# KiCad board Marble.kicad_pcb (continued)
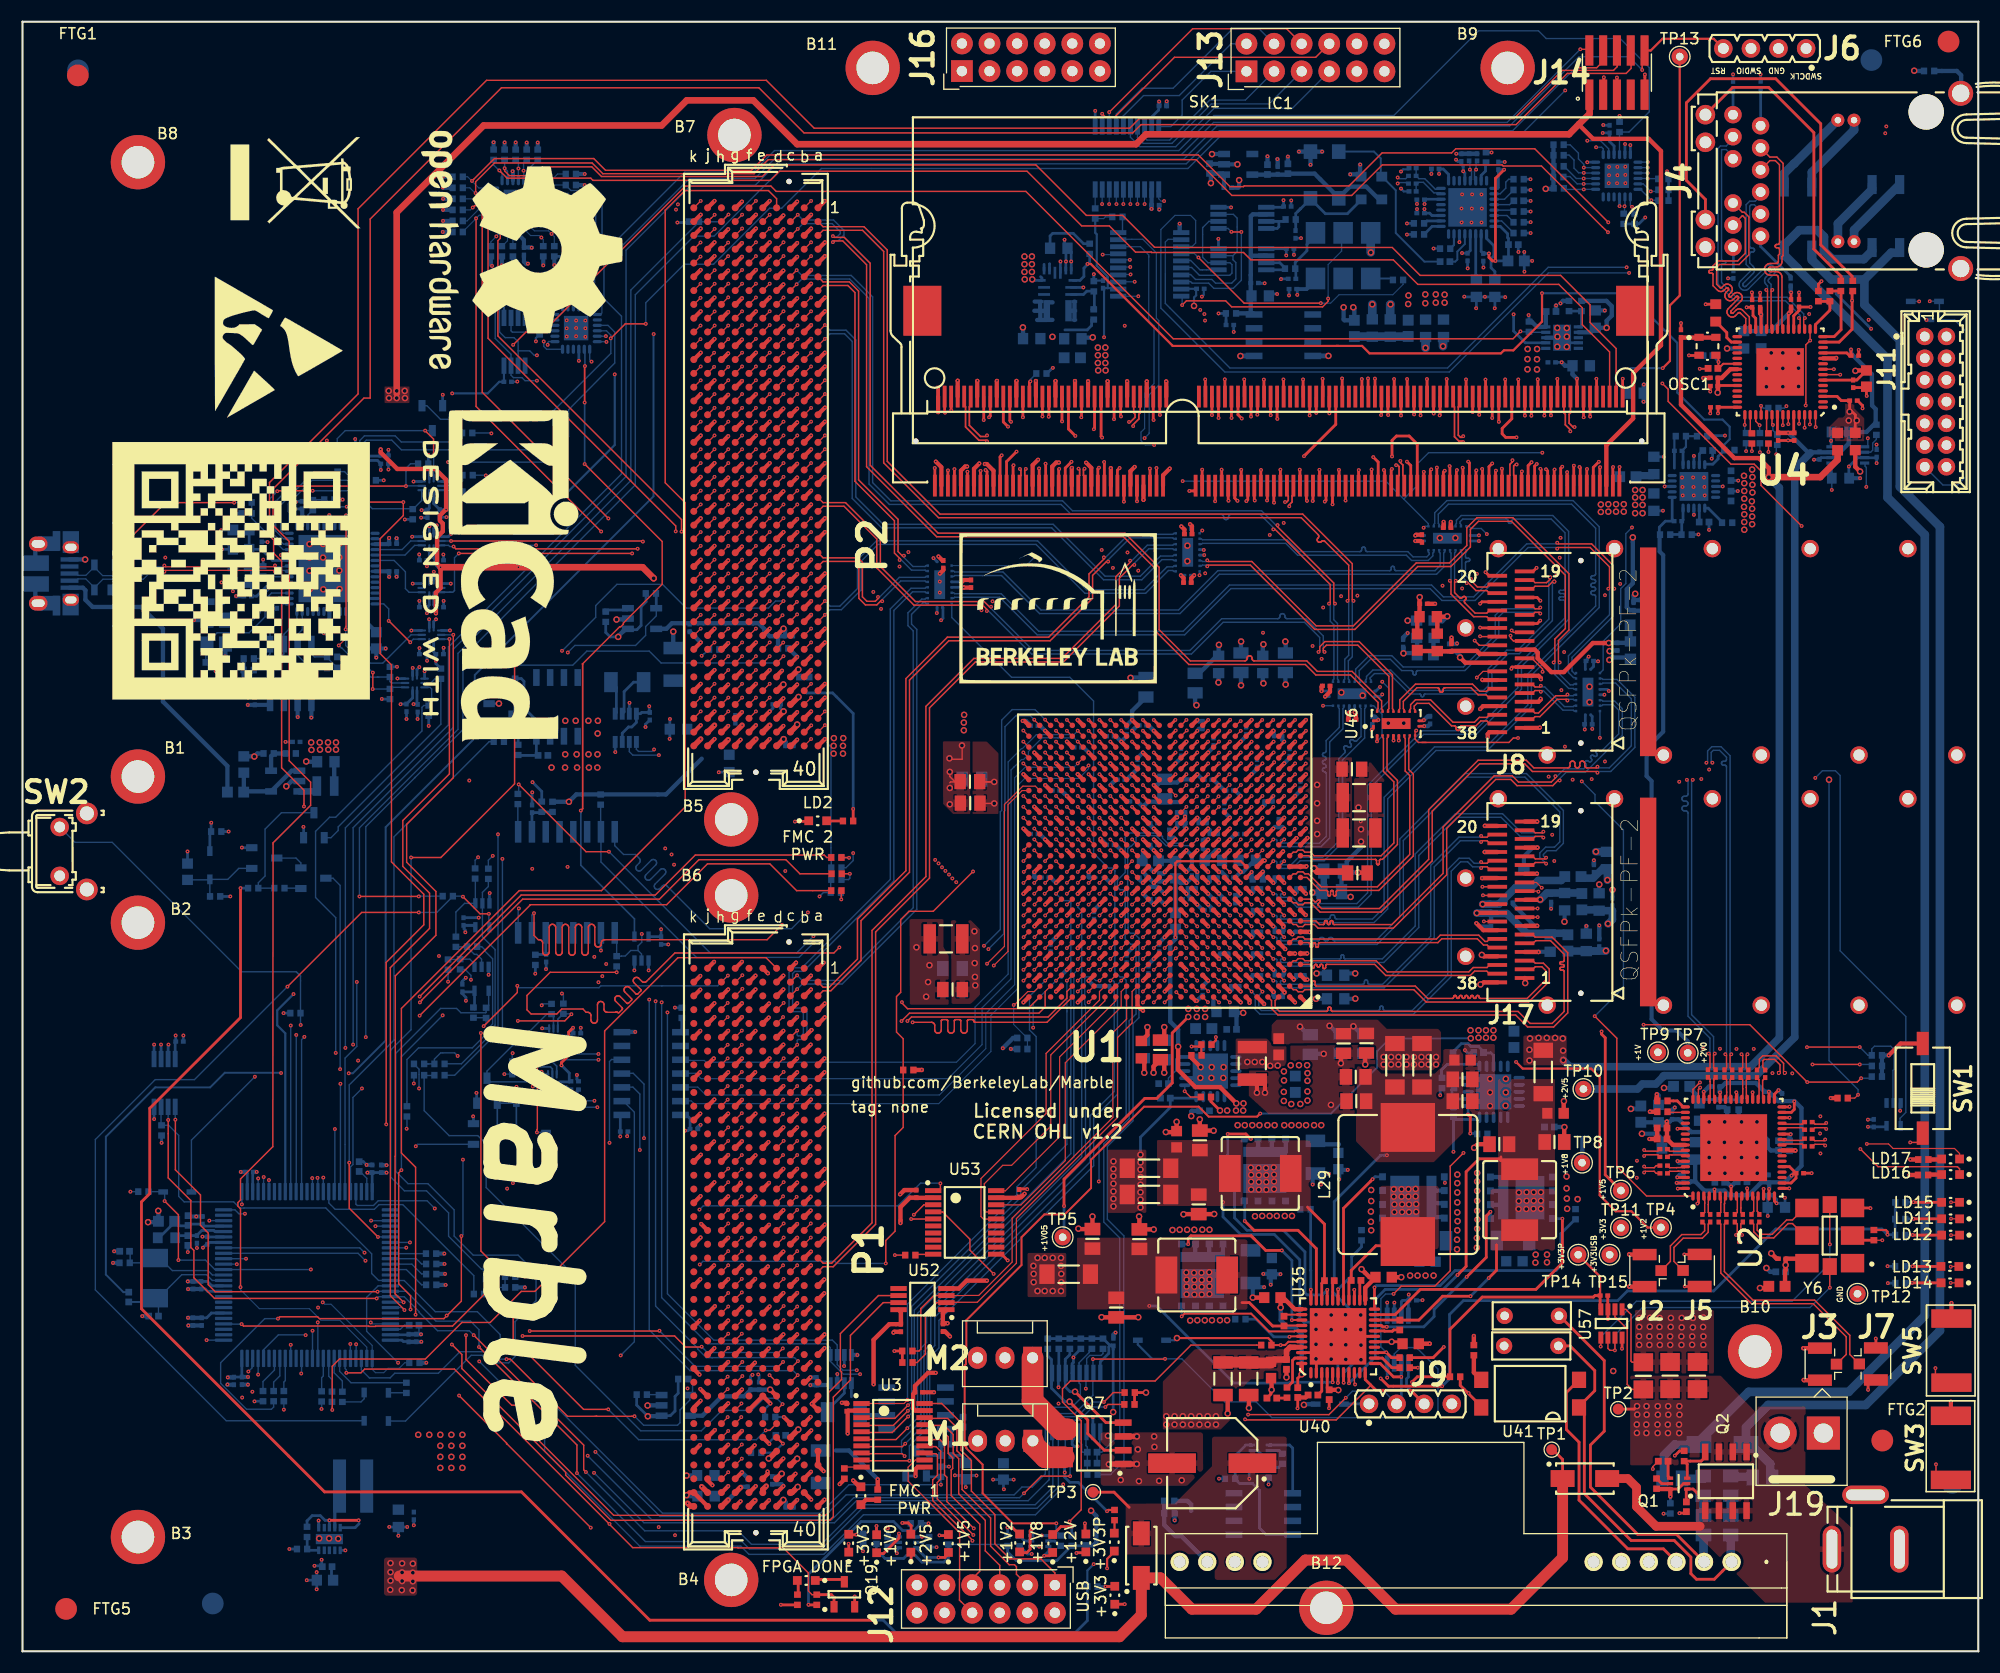
[diagram p0: board, top side]
## Routing (per net, layer and track width the routed paths; a pad name or vN(x,y) marks a point on that pad's centre or on a via; arc(x,y) is an arc through that point) (continued)
/I2C_MUX/QSFP2_SCL: length 166
  Top w0.127: J8.11 137.22,93 136.95,93.26 v1(136.95,93.49)
  In4.Cu w0.102: 142.1,95.21 144.83,97.93 144.83,101.21 ; 136.65,94.15 136.65,93.79 v1(136.95,93.49) ; v1(48.41,135.17) 50.4,137.16 60.74,137.16 61.84,136.06 68.02,136.06 70.65,138.69 81.49,138.69 81.59,138.79 125.5,138.79 128.2,141.49 145.61,141.49 147.59,139.51 148.94,139.51 151.69,136.77 151.69,116.6 147.6,112.51 147.6,112.31
  In4.Cu w0.112: 144.83,101.21 144.6,101.44 144.6,105.98 147.6,108.98 147.6,112.31 ; 142.1,95.21 141.17,94.27 138.54,94.27 138.51,94.3 136.8,94.3 136.65,94.15
  Bottom w0.102: R55.1 49.25,135.98 47.96,134.69 U5.13
/I2C_MUX/QSFP2_SDA: length 167.3
  Top w0.127: J8.12 137.22,93.8 137.06,93.96 v1(137.06,93.97)
  In4.Cu w0.102: v1(46.81,136.41) 48.03,137.63 60.88,137.63 62.06,136.46 67.81,136.46 70.88,139.53 124.38,139.53 126.92,142.07 147.15,142.07 152.32,136.9 152.31,120.96 152.31,106.99 149.3,103.98 148.18,103.98 147.7,103.5 147.7,100.81 145.41,98.52 145.41,97.7 141.68,93.97 v1(137.06,93.97)
  Bottom w0.102: U5.12 46.64,135.57 46.63,135.58
  Bottom w0.127: U5.12 46.63,135.4 46.63,136.24 v1(46.81,136.41) 46.81,136.68 R56.1
/JTAG/FMC1_TDI_R: length 2.9
  Bottom w0.127: R237.2 40.26,63.68 R277.2 41.17,63.71 41.6,63.28 U10.1
/JTAG/FMC1_TDO_R: length 3.6
  Bottom w0.127: R238.2 40.88,64.84 R278.2 40.9,64.84 41.59,64.15 41.81,64.15 42.25,63.71 U10.2
/JTAG/FMC2_TDI_R: length 6.7
  Bottom w0.127: R238.1 39.89,68.05 40.68,68.84 U7.1 41.68,71.1 R279.2
/JTAG/FMC2_TDO_R: length 27.9
  Bottom w0.127: 42.85,71.1 R280.2 42.87,70.4 42.33,69.85 U7.2 42.33,65.76 43.49,64.6 43.49,57.64 41.4,55.54 36.45,55.54 35.38,54.47 R275.1
/JTAG/JTAG_TCK: length 240.5
  Top w0.127: v1(50.52,58.64) 49.91,58.03 v1(45.59,58.03)
  In7.Cu w0.127: J11.6 178.2,118.16 178.2,122.27 176.72,123.75 173.95,123.75 171.07,126.63 171.07,132.63 160.22,143.48 151.76,143.48 149.12,140.84 82.24,140.84 78.74,137.33 70.51,137.33 67.82,134.64 58.32,134.64 44.22,120.54 v1(44.22,106.75) 51.43,99.53 51.43,91.18 44.64,84.38 44.64,59.13 44.62,59.12 44.62,58.99 v1(45.59,58.03)
  Bottom w0.127: R229.2 50.48,58.68 v1(50.52,58.64) ; v1(44.22,106.75) 44.21,106.73 R230.2
  Bottom w0.15: R229.2 49.76,58.68 49.27,58.18 U8.5
/JTAG/JTAG_TDI: length 248.2
  GND5.Cu w0.127: v1(42.64,108.23) 42.62,108.26
  In7.Cu w0.127: v1(44.42,57.12) 43.62,57.92 43.62,74.84 43.42,75.04 43.42,84.21 50.53,91.31 50.53,99.14 43.91,105.76 43.91,105.86 42.64,107.13 v1(42.64,108.23) 42.64,121.12 48.75,127.23 49.06,127.23 57.88,136.06 67.08,136.06 69.94,138.92 77.9,138.92 81.97,142.99 105.12,142.99 105.14,143.01 105.47,143.01 105.49,142.99 128.74,142.99 129.54,142.19 141.48,142.19 142.26,142.98 148.64,142.99 150.24,144.59 161.24,144.59 172.34,133.49 172.34,127.9 174.9,125.34 177.05,125.34 179.05,123.33 179.05,115.01 J11.10
  Bottom w0.127: v1(42.64,108.23) 42.62,108.26 R231.2 ; v1(44.42,57.12) 46.72,57.12 48.25,58.65 R215.2
  Bottom w0.15: R215.2 48.87,58.47 U8.4
/JTAG/JTAG_TDO: length 253
  In2.Cu w0.127: v1(47.6,124.76) 46.63,123.79 46.63,102.71 46.02,102.1 46.02,95.98 45.82,95.77 45.82,83.89 45.16,83.23 45.16,60.9 46.3,59.76 46.3,53.94 v1(46.81,53.43)
  In7.Cu w0.127: v1(43.15,112.11) 43.15,120.34 57.96,135.14 67.23,135.14 70.25,138.16 78.38,138.16 82.55,142.33 104.36,142.33 104.43,142.26 104.76,142.26 104.83,142.33 127.81,142.33 128.67,141.47 143.91,141.47 144.75,142.31 149.32,142.33 151.03,144.03 160.6,144.03 171.65,132.98 171.65,127.54 174.38,124.81 176.67,124.81 178.5,122.98 178.5,116.45 J11.8
  Bottom w0.127: R233.2 43.11,112.14 v1(43.15,112.11) ; 46.76,53.43 v1(46.81,53.43)
  Bottom w0.15: R216.2 46.45,53.13 47.11,53.79 48.59,53.79 48.77,53.61 U9.4
/JTAG/JTAG_TMS: length 232.9
  In2.Cu w0.127: v1(47.02,54.35) 46.84,54.52 46.84,60.76 46.02,61.59 46.02,82.54 46.58,83.1 46.58,102 47.09,102.5 v1(47.09,110.56)
  In7.Cu w0.127: v1(47.09,110.56) 46.91,110.74 46.91,122.37 58.57,134.03 72.26,134.03 74.85,136.62 79.18,136.62 82.58,140.02 145.19,140.02 145.27,140.1 149.78,140.1 152.6,142.92 159.94,142.92 170.38,132.48 170.38,126.09 173.33,123.14 175.51,123.14 176.04,122.61 176.04,120.06 J11.4
  Bottom w0.127: 46.73,54.27 46.73,54.31 46.77,54.35 v1(47.02,54.35) ; R232.2 47.05,110.59 v1(47.09,110.56)
  Bottom w0.15: U9.5 49.17,53.86 48.68,54.35 46.81,54.35 46.73,54.27 R228.2
/LPC_RST: length 238.1
  Top w0.127: 149.32,147.46 149.07,147.21 v1(149.07,145.56) ; v1(14.35,36.01) 14.35,40.17 v1(13.08,41.44)
  Top w0.2: J14.10 149.86,147.35 150.93,148.43 155.65,148.43 J6.4
  In2.Cu w0.127: v1(26.54,35.14) 26.54,40.03 30.43,43.92 v1(30.43,55.85)
  Bottom w0.127: v1(14.35,36.01) 16.84,36.01 17.71,35.14 U54.14 26.53,35.14 v1(26.54,35.14) ; v1(13.08,41.44) 13.08,42.15 D3.2 12.92,42.31 R138.1 ; v1(149.07,145.56) 147.85,146.78 143.24,146.78 136.87,140.4 109.93,140.4 106.88,137.35 69.85,137.35 67.43,134.94 61.52,134.94 55.55,128.97 55.55,108.14 39.65,92.24 39.65,85.03 30.43,75.81 v1(30.43,55.85)
/MMC/AT_DET: length 128
  Top w0.127: 132.71,24.09 132.86,23.94 132.92,23.94 v1(133.09,23.76)
  Top w0.254: U41.4 134.25,22.54 132.32,24.48 R179.2
  In2.Cu w0.127: v1(133.09,23.76) 133.09,22.44 131.7,21.05 112.71,21.05 106.05,14.39 104.16,14.39 97.66,7.89 80.06,7.89 78.17,9.77 76.45,9.77 75.94,9.26 67.46,9.26 66.55,10.18 54.96,10.18 42.29,22.85 38.28,22.85 v1(34.57,26.56)
  Bottom w0.127: U54.65 32.73,33.64 31.67,32.58 31.67,29.45 v1(34.57,26.56)
/MMC/BOOT_MODE0: length 71.6
  Top w0.127: R286.2 74.01,73.07 73.79,73.29 61.92,73.29 58.24,69.61 45.89,69.61 v1(36.55,60.26)
  In4.Cu w0.127: v1(36.55,60.26) 27.35,60.26 v1(24.69,57.6)
  Bottom w0.127: v1(24.69,57.6) 24.69,42.33 24.68,42.33 24.68,42.31
/MMC/BOOT_MODE1: length 71.2
  Top w0.127: 71.55,71.57 70.25,72.86 62.25,72.86 58.62,69.23 46.03,69.23 36.75,59.95 36.75,59.91 v1(36.57,59.73)
  Top w0.13: R287.2 71.55,71.57
  In4.Cu w0.127: v1(25.19,56.73) 26.18,57.72 26.18,58.23 27.68,59.73 v1(36.57,59.73)
  Bottom w0.127: v1(25.19,56.73) 25.19,42.32 25.18,42.31
/MMC/BOOT_MODE2: length 70.5
  Top w0.127: v1(36.55,58.51) 46.71,68.67 46.71,68.72 59.28,68.72 63.04,72.48 68.78,72.48 71.24,70.02 72.74,70.02
  Top w0.13: R288.2 72.74,70.02
  In4.Cu w0.127: v1(36.55,58.51) 27.9,58.51 v1(25.94,56.56)
  Bottom w0.127: 25.68,42.31 25.68,56.3 v1(25.94,56.56)
/MMC/DDR_1V5_EN: length 233.9
  Top w0.2: 120.95,120.16 121.13,120.16 ; 120.95,120.16 105.86,120.16 98.32,127.7 v1(98.02,127.7) ; 120.95,120.16 123.29,120.16 123.97,119.47 136.07,119.47 136.34,119.75 137.21,119.75 139.85,122.39 v1(139.85,125.01)
  In4.Cu w0.2: v1(38.33,64) 28.5,64 24.99,60.49 v1(24.94,60.49)
  In7.Cu w0.2: v1(54.51,117.54) 55.52,118.56 55.52,123.33 59.99,127.8 84.25,127.8 87.07,124.98 94.99,124.98 97.54,127.53 97.84,127.53 v1(98.02,127.7) ; v1(38.33,64) 38.33,64.31 41.55,67.54 41.55,85.39 42.11,85.94 42.11,105.92 v1(42.5,106.31)
  Bottom w0.102: 98.04,127.68 v1(98.02,127.7)
  Bottom w0.2: R72.2 156.62,111.08 157.12,111.57 157.12,112.72 156.46,113.38 154.78,113.38 152.3,115.87 152.3,120.44 147.72,125.01 v1(139.85,125.01) ; 24.18,42.31 24.18,56.88 23.44,57.62 23.44,58.99 v1(24.94,60.49) ; v1(54.51,117.54) 54.51,111.04 49.78,106.31 v1(42.5,106.31)
  Bottom w0.254: R24.2 98.22,127.85 97.69,127.32 97.69,126.55 97.32,126.19 U58.1 ; U47.20 154.87,109.27 155.57,109.27 156.05,109.76 156.05,109.98 156.62,110.55 R72.2
/MMC/EN_FMC1_P12V: length 66.8
  In2.Cu w0.127: v1(35.66,37.63) 35.66,33.75 42.01,27.4 42.01,26.71 v1(42.03,26.69)
  Bottom w0.127: v1(35.66,37.63) 34.39,37.63 34.39,37.64 U54.57 ; R188.1 v1(84.53,15.33) 76.07,15.33 73.45,12.72 58.89,12.72 48.58,23.03 45.69,23.03 v1(42.03,26.69)
  Bottom w0.254: R188.1 83.27,16.06 Q8.1
/MMC/EN_FMC2_P12V: length 55.4
  Top w0.127: v1(32.71,38.14) 30.07,40.78 v1(30.07,44.97)
  Bottom w0.127: v1(32.71,38.14) 33.85,38.14 U54.56 ; v1(30.07,44.97) 30.07,52.14 34.19,56.25 34.19,74.97 42.95,83.73 R201.1 43.37,84.45 42.94,84.87 Q9.1
/MMC/EN_PSU_CH: length 112.3
  Top w0.127: R245.2 107.54,28.18 104.24,24.88 96.44,24.88 95.71,24.16 95.71,22.94 97.44,21.22 97.44,13.03 v1(96.36,11.95) ; v1(52.3,11.38) 44.58,19.09 44.55,19.09 44.55,19.17 v1(40.18,23.54)
  In2.Cu w0.127: v1(35.32,37.15) 35.32,33.45 40.18,28.59 v1(40.18,23.54)
  In4.Cu w0.127: v1(96.36,11.95) 96.19,12.13 85.39,12.13 ; 85.39,12.13 81.16,12.13 81.14,12.15 55.52,12.15 54.75,11.38 52.3,11.38 v1(52.3,11.38) ; 85.39,12.13 85.15,12.13
  Bottom w0.127: U54.58 35.3,37.14 v1(35.32,37.15)
/MMC/HW_ID0: length 3.3
  Bottom w0.127: R144.1 33.89,36.6 U54.59
/MMC/HW_ID1: length 3.5
  Bottom w0.127: R146.1 36.73,35.65 36.24,36.14 U54.60
/MMC/HW_ID2: length 3.7
  Bottom w0.127: 37.14,34.74 36.73,34.74 35.83,35.64 U54.61
/MMC/HW_ID3: length 3.9
  Bottom w0.127: U54.62 35.33,35.14 36.73,33.73 R158.1
/MMC/I2C_PM_SCL: length 160.6
  Top w0.127: v1(121.79,23.33) 120.24,21.78 v1(112.8,21.78) ; v1(13.41,48.91) 13.41,43.58 15.49,41.49 15.49,37.18 15.77,36.9 15.77,34.38 17.68,32.48 v1(32.6,32.48) ; v1(41.53,29.1) 51.65,18.97 51.65,16.7 v1(51.85,16.5) ; v1(99.53,22.94) 100.4,23.82 R14.2
  Top w0.254: v1(126.89,25.26) 126.19,25.26 124.95,26.49 U35.12
  In2.Cu w0.127: v1(112.8,21.78) 112.8,21.78 111.64,22.94 v1(99.53,22.94)
  Bottom w0.127: 40.92,29.51 41.12,29.51 v1(41.53,29.1) ; 40.92,29.51 38.2,29.51 36.51,31.2 36.51,31.26 35.13,32.64 U54.67 32.74,32.64 32.6,32.49 v1(32.6,32.48) ; 40.92,29.51 41.07,29.51 ; J9.2 125.3,23.94 122.4,23.94 v1(121.79,23.33) ; v1(99.53,22.94) 98.41,22.94 97.07,21.6 95.2,21.6 94.7,21.1 94.7,20.2 94.83,20.07 94.83,15.12 93.2,13.49 77.16,13.49 73.52,9.85 67.09,9.85 65.85,11.09 57.26,11.09 v1(51.85,16.5) ; v1(13.41,48.91) 13.4,48.92 U28.2
  Bottom w0.254: J9.2 126.9,23.21 U29.2 126.89,26.48 v1(126.89,25.26)
/MMC/I2C_PM_SDA: length 161.2
  Top w0.127: v1(51.03,16.4) 51.03,18.99 v1(42.01,28.01) ; v1(112.52,21.35) 112.58,21.3 120.91,21.3 124.08,24.47 124.08,24.52 ; v1(14.07,48.94) 14.07,44.31 16.38,42 16.38,39.21 17.09,38.5 17.09,33.75 17.74,33.1 v1(32.67,33.1) ; v1(99.66,22.48) 99.9,22.72 R13.2
  Top w0.254: U35.11 123.58,25.01 124.57,24.02 127.76,24.02 J9.3
  In2.Cu w0.127: v1(112.52,21.35) 111.39,22.48 v1(99.66,22.48)
  Bottom w0.127: v1(32.67,33.1) 32.71,33.14 U54.66 35.3,33.14 38.05,30.39 41.22,30.39 42.01,29.61 v1(42.01,28.01) ; U28.1 14.05,48.95 v1(14.07,48.94) ; v1(99.66,22.48) 98.5,22.48 97.29,21.28 95.5,21.28 95.34,21.11 95.34,15.13 93.37,13.16 77.29,13.16 73.54,9.41 66.9,9.41 66.22,10.1 57.32,10.1 v1(51.03,16.4)
  Bottom w0.254: U29.1 127.55,25.25 127.38,25.08 127.38,24.4 J9.3
/MMC/ISP_RSTn: length 39.7
  In4.Cu w0.127: v1(21.38,52.89) 22.08,53.58 v1(29.23,53.58)
  Bottom w0.127: v1(29.23,53.58) 29.23,70.5 28.57,71.16 Q14.3 ; v1(21.38,52.89) 15.55,47.05 D3.1
/MMC/LED1: length 193.5
  Top w0.102: LD15.1 v1(177.49,41.33)
  In9.Cu w0.127: v1(177.49,41.33) 176.79,40.63 172.41,40.63 166.44,34.66 151.28,34.66 147.62,31 147.62,23.97 134.78,11.13 94.65,11.13 93.98,11.8 83.91,11.8 83,10.88 82.63,10.88 80.81,9.07 80.81,8.86 77.33,5.39 69.58,5.39 67.54,3.34 34.03,3.34 32.05,5.32 32.05,15.1 v1(21.69,25.47)
  Bottom w0.127: v1(21.69,25.47) 21.69,26.64 21.68,26.64 U54.97
/MMC/LED2: length 197.4
  Top w0.102: LD11.1 177.51,39.8 v1(177.49,39.82)
  In9.Cu w0.127: v1(177.49,39.82) 175.1,39.82 174.47,39.18 171.98,39.18 166.98,34.18 151.89,34.18 149.29,31.58 149.29,29.24 149.25,29.2 149.25,28.44 149.26,28.43 149.26,24.94 134.79,10.48 101.09,10.48 98.93,8.32 98.79,8.32 98.75,8.36 98.42,8.36 97.41,7.34 97.41,2.96 96.29,1.84 33.8,1.84 30.5,5.15 30.5,15.29 21.09,24.7 21.09,25.45 v1(20.79,25.75)
  Bottom w0.127: v1(20.79,25.75) 21.13,26.09 21.13,26.91 U54.98
/MMC/LED3: length 201.4
  Top w0.102: LD12.1 v1(177.49,38.31)
  In9.Cu w0.127: v1(16.94,28.64) 16.94,25.57 25.6,16.91 25.6,8.25 27.13,6.72 27.33,6.72 32.43,1.62 76.38,1.62 76.71,1.29 97.66,1.29 100.01,3.63 100.01,6.02 103.22,9.23 106.98,9.23 107,9.21 108.54,9.21 108.56,9.23 109.52,9.23 109.54,9.21 111.08,9.21 111.1,9.23 112.06,9.23 112.08,9.21 113.62,9.21 113.64,9.23 114.6,9.23 114.62,9.21 134.34,9.21 151.16,26.03 151.16,32.03 152.1,32.97 167.29,32.97 171.96,37.63 176.57,37.63 177.24,38.31 v1(177.49,38.31)
  Bottom w0.127: U54.1 18.5,28.64 v1(16.94,28.64)
/MMC/LPC_ISPn: length 40
  Bottom w0.127: U24.5 37.5,88.73 37.65,88.58 37.65,87.76 37.37,87.48 37.37,87.06 36.94,87.06 36.76,86.89 36.76,84.71 28.83,76.77 28.27,76.77 26.97,75.48 26.97,69.38 28.83,67.53 v1(28.83,55.08)
/MMC/MMC_CONS_PROG_RxD: length 68.7
  Top w0.127: v1(35.15,31.41) 35.15,31.44 33.86,32.73 33.86,62.93 37.46,66.54 37.46,69.79 35,72.25 35,76.47 39.29,80.76 v1(39.29,93.18)
  Bottom w0.127: U25.5 39.27,93.16 v1(39.29,93.18) ; U54.69 34.92,31.64 v1(35.15,31.41)
/MMC/MMC_CONS_PROG_TxD: length 68.5
  Top w0.127: v1(39.65,93.56) 39.65,80.41 35.35,76.11 35.35,72.63 38.05,69.94 38.05,65.9 34.31,62.17 34.31,45.58 34.29,45.56 34.29,32.91 v1(35.07,32.12)
  Bottom w0.127: U25.4 v1(39.65,93.56) ; U54.68 35.06,32.14 v1(35.07,32.12)
/MMC/OVER_TEMP: length 170.3
  Top w0.127: v1(98.52,26.89) 105.13,26.89 v1(105.15,26.91) 105.24,26.91
  In2.Cu w0.127: v1(52.6,16.42) 52.17,16.86 49.3,16.86 43.96,22.19 v1(43.96,27.83)
  Bottom w0.127: U28.3 12.75,48.46 R178.2 ; 12.76,48.45 R178.2 ; R178.2 13.45,48.42 14.37,47.49 14.37,41.88 14.88,41.37 19.43,41.37 20,40.8 20.38,40.8 20.39,40.81 27.91,40.81 32.13,36.59 32.13,34.77 32.77,34.14 U54.64 33.87,34.13 35.13,34.13 38,31.26 41.86,31.26 43.96,29.15 v1(43.96,27.83) ; v1(105.15,26.91) 106.7,26.91 110.66,22.95 113.54,22.95 114.98,21.5 129.87,21.5 130.27,21.91 130.27,25.98 128.29,27.96 126.84,27.96 126.25,27.37 U29.3 ; v1(98.52,26.89) 98.52,25.61 98.51,25.6 98.51,23.56 96.84,21.88 95.04,21.88 94.39,21.23 94.39,19.27 94.49,19.17 94.48,19.09 94.48,15.79 92.55,13.86 76.76,13.86 74.72,11.83 57.2,11.83 v1(52.6,16.42)
  Bottom w0.2: v1(105.15,26.91) 103.97,26.91 102.65,28.23 D2.1
/MMC/Pmod3_0: length 172
  In2.Cu w0.127: v1(26.06,29.1) 27.66,29.1 29.18,30.62 29.18,35.14 37.79,43.75 37.79,54.3 35.42,56.67 35.42,79.13 35.46,79.16 ; 35.46,79.16 35.4,79.11 ; 35.46,79.16 42.16,85.87 42.16,108.27 42.29,108.4 42.29,130.39 56.42,144.53 69.06,144.53 73.29,140.31 84.43,140.31 86.46,142.33 J16.1
  Bottom w0.127: v1(26.06,29.1) 26.03,29.12 23.55,29.12 22.18,27.76 U54.96
/MMC/Pmod3_1: length 170.7
  In2.Cu w0.127: J16.3 89,142.95 85.78,139.73 72.62,139.73 68.58,143.77 56.3,143.77 43.95,131.42 43.95,128.91 43.66,128.62 43.66,103.57 42.9,102.81 42.9,85.72 36.13,78.95 36.13,57.23 38.27,55.09 38.27,43.21 31.75,36.69 v1(31.48,36.69)
  Bottom w0.127: U54.18 31.03,37.14 v1(31.48,36.69)
/MMC/Pmod3_2: length 172.9
  In2.Cu w0.127: 38.45,80.31 38.4,80.25 ; 38.45,80.31 43.38,85.24 43.38,92.04 43.46,92.12 43.46,102 44.64,103.18 44.64,130.46 46.76,132.58 46.76,132.65 57.28,143.18 68.16,143.18 72.27,139.07 87.77,139.07 91.54,142.84 J16.5 ; 38.45,80.31 36.95,78.81 36.95,57.29 38.74,55.5 38.74,43.13 v1(31.56,35.95)
  Bottom w0.127: v1(31.56,35.95) 30.88,36.64 U54.17
/MMC/Pmod3_3: length 162.1
  In2.Cu w0.127: J16.7 94.08,143.03 89.54,138.49 71.87,138.49 67.77,142.59 57.71,142.59 45.89,130.78 45.89,102.63 45.12,101.86 45.12,84.94 45.02,84.83 45.02,84.56 38.78,78.33 38.78,59.43 39.67,58.54 39.67,45.57 39.66,45.56 39.66,42.47 v1(37.94,40.76)
  Bottom w0.127: 30.68,42.31 30.68,41.16 30.81,41.04 32.31,41.04 32.74,41.47 37.23,41.47 v1(37.94,40.76)
/MMC/Pmod3_4: length 157
  In2.Cu w0.127: J16.2 84.94,148 84.12,147.17 84.12,144.24 81.17,141.3 74.5,141.3 69.99,145.8 55.71,145.8 46.45,136.54 46.45,136.11 42.65,132.31 42.65,132.23 40.92,130.5 40.92,86.3 34.21,79.59 34.21,55.97 36.85,53.33 36.85,44.42 v1(32.08,39.64)
  Bottom w0.127: v1(32.08,39.64) 32.08,39.64 U54.53
/MMC/Pmod3_5: length 158.1
  In2.Cu w0.127: 41.53,92.01 41.53,91.94 ; 41.53,92.01 41.53,130.37 56.34,145.18 69.47,145.18 73.77,140.88 81.67,140.88 84.67,143.88 84.67,146.2 84.86,146.4 85.17,146.75 87.75,146.75 J16.4 ; 41.53,92.01 41.53,86.2 35,79.67 35,56 37.34,53.66 37.34,43.98 v1(32.48,39.13)
  Bottom w0.127: U54.54 32.49,39.14 v1(32.48,39.13)
/MMC/Pmod3_6: length 175.3
  In2.Cu w0.127: v1(26.69,29.51) 27.18,29.51 28.55,30.88 28.55,37.48 32.92,41.85 32.92,79.24 36.04,82.36 ; J16.6 90.37,149.16 85.06,149.16 83.47,147.57 83.47,144.82 80.55,141.9 74.92,141.9 70.42,146.39 55.44,146.39 47.19,138.14 46.51,138.14 42.29,133.92 42.29,133.17 40.48,131.37 40.48,101.23 40.5,101.22 40.5,91.92 39.82,91.25 39.82,86.15 36.04,82.36 ; 36.04,82.36 35.91,82.24
  Bottom w0.127: U54.87 26.69,26.97 v1(26.69,29.51)
/MMC/Pmod3_7: length 178.4
  In2.Cu w0.127: v1(27.18,30.28) 28.09,31.19 28.09,39.39 32.1,43.4 32.1,79.21 39.42,86.53 39.42,91.58 39.99,92.15 39.99,94.18 39.81,94.36 39.81,101.33 40.01,101.53 40.03,131.23 40.03,133.06 41.54,134.57 41.59,134.57 54.02,147 54.13,147.11 71,147.11 75.69,142.41 80.24,142.41 82.86,145.03 82.86,147.59 84.76,149.49 92.58,149.49 J16.8
  Bottom w0.127: U54.86 27.18,30.27 v1(27.18,30.28)
/MMC/VREF: length 6.9
  Bottom w0.254: U54.22 16.76,39.14 C199.1 15.39,39.32 15.24,39.16 14.34,39.16 14.01,39.5 12.57,38.07 12.53,38.07
/MMC_TCK: length 239.3
  Top w0.127: v1(143.11,145.94) 143.29,145.76 144.88,145.76 145.51,146.39 145.51,147.46
  In2.Cu w0.127: v1(31.59,56.53) 31.59,45.61 31.21,45.24 31.21,43.27 27.63,39.69 v1(27.63,32.12)
  In9.Cu w0.2: J6.1 161.01,144.39 148.51,144.39 146.96,145.94 v1(143.11,145.94)
  Bottom w0.102: v1(27.63,32.12) 27.81,31.95 28.39,31.95 32.18,28.15 U54.76 32.18,25.94 32.48,25.64 33.25,25.64 33.65,26.05 34.67,26.05 35.18,26.56 R137.1
  Bottom w0.127: 36.15,80.45 31.59,75.9 v1(31.59,56.53) ; 36.15,80.45 36.09,80.39 ; 36.15,80.45 40.54,84.84 40.54,91.51 56.4,107.37 56.4,124.87 61.8,130.27 63.65,130.27 70.3,136.92 107.11,136.92 110.16,139.97 137.14,139.97 v1(143.11,145.94) ; 27.62,32.14 v1(27.63,32.12)
/MMC_TDI: length 248.7
  Top w0.127: 148.05,147.46 148.05,145.7 147.58,145.24 142.17,145.24 137.46,140.53 102.94,140.53 102.18,139.77 71.92,139.77 67.77,143.92 44.08,143.92 32,131.84 32,115.36 31.42,115.36 23.06,107 23.06,103.65 24.54,102.16 24.54,81.97 26.51,80 26.51,77.87 23.06,74.42 23.06,74.31 23.03,46.45 20.06,43.48 20.06,41.54 19.82,41.3 19.82,40.98 20.06,40.74 v1(20.06,33.52)
  Bottom w0.102: U54.77 31.68,27.99 29.21,30.47 27.47,30.47 26.4,31.54 21.8,31.54 20.06,33.27
  Bottom w0.127: v1(20.06,33.52) 20.06,33.27
/MMC_TDO: length 240.4
  Top w0.127: v1(25.91,77.77) 25.91,79.26 23.85,81.32 23.85,100.34 23.11,101.07 23.11,102.3 22.73,102.68 22.73,107.58 30.88,115.74 30.88,132.78 42.71,144.61 68.46,144.61 72.86,140.2 101.9,140.2 102.79,141.09 137.27,141.09 141.7,145.52 146.43,145.52 146.78,145.87 146.78,147.46
  In2.Cu w0.127: v1(25.65,25.57) 25.65,50.46 26.41,51.22 26.41,77.26 v1(25.91,77.77)
  Bottom w0.127: U54.89 25.68,25.6 v1(25.65,25.57)
/MMC_TMS: length 232.9
  Top w0.127: 144.24,147.46 143.38,147.46 v1(143.37,147.47)
  In2.Cu w0.127: v1(30.88,54.37) 30.88,43.66 27.2,39.98 v1(27.2,31.64)
  In4.Cu w0.102: v1(27.2,31.64) 30.68,31.64 v1(32.05,30.27)
  GND5.Cu w0.127: v1(29.72,55.54) v1(30.88,54.37)
  In9.Cu w0.2: v1(143.37,147.47) 149.37,147.47 151.38,145.46 156.99,145.46 J6.3
  Bottom w0.102: U54.72 32.18,30.14 v1(32.05,30.27)
  Bottom w0.127: 27.2,31.64 v1(27.2,31.64) ; v1(29.72,55.54) 29.72,75.8 39.2,85.28 39.2,92.45 55.13,108.37 55.13,122.89 53.51,124.5 53.51,127.7 61.39,135.58 67.41,135.58 69.59,137.76 106.65,137.76 109.62,140.73 136.64,140.73 v1(143.37,147.47)
/MUX1_MMC: length 329.2
  Top w0.127: v1(164.26,52.39) 168.86,52.39 v1(169.22,52.75) ; v1(164.26,52.39) 164.26,52.39 ; v1(164.26,52.39) 158.98,57.67 v1(149.2,57.67)
  In2.Cu w0.127: v1(99.06,43.25) 99.06,44.8 104.8,50.54 107.65,50.54 109.35,52.24 111.29,52.24 111.29,54.92 113.21,56.84 130.84,56.84 131.68,57.67 v1(149.2,57.67) ; 169.34,52.75 169.34,52.75
  In4.Cu w0.127: v1(44.6,42.59) 27.63,42.59 v1(26.67,43.55) ; v1(46,21.02) 49.8,17.22 79.94,17.22 85.06,22.34 92.81,22.34 98.09,27.63 99.72,27.63 101.7,29.61 112.14,29.61 115.31,32.78 124.96,32.78 125.5,33.32 135.13,33.32 135.87,34.06 157.31,34.06 164.26,41.01 v1(164.26,52.39)
  In7.Cu w0.127: v1(46,21.02) 45.08,21.94 45.08,26.86 44.6,27.34 v1(44.6,42.59)
  Bottom w0.127: 85.53,96.44 85.53,95.16 91.03,89.65 96.39,89.65 98.57,87.47 98.57,73.47 99.94,72.1 100.3,72.1 100.56,71.84 100.54,71.81 100.54,62.55 101.01,62.07 101.28,62.07 101.57,61.78 101.57,49.27 99.08,46.78 99.08,43.27 v1(99.06,43.25) ; v1(169.22,52.75) 170.04,52.75 R297.1 ; 26.68,42.31 26.68,43.53 v1(26.67,43.55)
/MUX2_MMC: length 320.3
  Top w0.127: v1(150.92,116.7) 151.46,116.17 151.46,115.05 157.24,109.27 159.38,109.27 160,108.65 160,107.32 v1(163.74,103.58) ; v1(164.74,54.02) 164.74,54.02 v1(169.09,54.02)
  In4.Cu w0.127: v1(164.74,54.02) 163.9,53.18 163.9,41.27 157.29,34.65 135.85,34.65 134.9,33.7 124.84,33.7 124.71,33.83 115.72,33.83 113.33,31.44 102.21,31.44 99.37,28.59 97.77,28.59 92.15,22.98 84.61,22.98 80.19,18.56 60.73,18.56 60.4,18.89 49.55,18.89 46.89,21.56 v1(46.17,21.56) ; v1(163.74,103.58) 163.55,103.39 163.55,100.12 166.95,96.71 166.95,59.15 169.75,56.35 169.75,54.92 169.09,54.27 v1(169.09,54.02) ; v1(45.13,43.09) 27.63,43.09 v1(27.15,43.58) ; v1(108.33,99.05) 108.5,98.88 109.09,98.88 109.8,99.58 109.8,103.72 109.14,104.38 109.14,111.18 110.75,112.79 110.75,114.96 112.49,116.7 112.87,116.7 148.83,116.72 149.06,116.94 150.2,116.94 150.43,116.72 150.91,116.72 v1(150.92,116.7)
  In7.Cu w0.127: v1(46.17,21.56) 45.5,22.23 45.5,42.73 v1(45.13,43.09)
  Bottom w0.127: 108.33,99.4 108.33,99.05 v1(108.33,99.05) ; R298.1 170.07,54.02 v1(169.09,54.02) ; 27.18,42.31 27.18,43.54 v1(27.15,43.58)
/MUX3_MMC: length 281.7
  Top w0.127: v1(137.64,84.06) 137.21,84.06 136.8,83.66 128.8,83.66 ; v1(128.27,84.75) 128.17,84.65 128.17,83.96 128.47,83.66 128.8,83.66 ; v1(169.09,55.62) 164.25,55.62 v1(164.23,55.6) ; 128.8,83.66 129.18,83.66
  In4.Cu w0.127: v1(46.63,22.14) 47.16,22.14 49.66,19.64 60.71,19.64 ; v1(27.68,43.6) 45.67,43.6 v1(45.69,43.58) ; 60.71,19.64 80.04,19.64 83.1,22.7 83.26,22.7 84.76,24.2 92.81,24.2 98.43,29.82 99.73,29.82 102.04,32.13 110.01,32.13 112.1,34.22 125,34.22 125.25,33.97 134.05,33.97 135.18,35.09 157.05,35.09 163.51,41.56 163.51,54.88 v1(164.23,55.6) ; 60.71,19.64 60.64,19.64 ; v1(169.09,55.62) 164.84,59.87 164.84,65.04 145.8,84.08 v1(145.17,84.08) 145.17,84.92 144.59,85.5 142.05,85.5 140.61,84.06 v1(137.64,84.06)
  In7.Cu w0.127: v1(46.63,22.14) 46.63,28.92 45.89,29.65 45.89,43.13 45.69,43.33 v1(45.69,43.58) ; v1(128.27,84.75) 128.27,86.5 130.7,88.93 130.7,93.43 131.58,94.31 131.58,95.03 135.17,98.62 135.17,100.07 134.62,100.63 134.62,101.61 134.77,101.76 v1(134.77,102.84)
  Bottom w0.102: R299.1 170.2,54.88
  Bottom w0.127: 172.15,50.45 172.15,53.47 172.25,53.57 172.25,55.39 171.95,55.69 170.44,55.69 170.2,55.45 R299.1 169.85,54.86 v1(169.09,55.62) ; U50.9 133.13,103.55 133.33,103.35 134.25,103.35 v1(134.77,102.84) ; v1(27.68,43.6) 27.68,43.6 27.68,42.31 ; v1(145.17,84.08) 145.18,84.09 U49.9
/PMOD/Pmod1_0: length 49.4
  Top w0.102: v1(81.45,23.13) 81.13,22.81 U3.1
  Top w0.127: v1(94.12,61.73) 94.62,62.23 U1.C24
  Bottom w0.127: v1(94.12,61.73) 92.68,60.28 92.68,57.2 93.29,56.58 93.29,44.53 91.51,42.75 91.51,42.02 81.45,31.96 v1(81.45,23.13)
/PMOD/Pmod1_1: length 50.5
  Top w0.11: U1.C22 v1(96.12,61.73)
  Top w0.127: v1(81.5,22.65) 80.28,21.44 77.4,21.44
  Bottom w0.11: v1(96.12,61.73) 96.12,58.86
  Bottom w0.127: v1(81.5,22.65) 81.83,22.98 81.83,31.74 91.87,41.79 91.87,42.42 96.12,46.67 96.12,58.96
/PMOD/Pmod1_2: length 60
  Top w0.11: v1(95.12,69.73) 95.61,70.21 95.62,70.21
  Top w0.127: v1(81.49,22.13) 80.14,20.79 77.4,20.79
  Bottom w0.127: v1(95.12,69.73) 95.75,69.1 96.29,69.1 96.49,68.9 96.49,45.81 82.07,31.4 82.07,22.72 v1(81.49,22.13)
/PMOD/Pmod1_3: length 53
  Top w0.11: U1.D21 v1(97.12,62.73)
  Top w0.127: v1(81.51,21.61) 80.04,20.14 77.4,20.14
  Bottom w0.11: 96.76,59.18 96.76,62.37 v1(97.12,62.73)
  Bottom w0.127: v1(81.51,21.61) 82.37,22.47 82.37,31.11 96.76,45.5 96.76,59.18
/PMOD/Pmod1_4: length 60.2
  Top w0.11: 97.61,69.25 97.61,69.25 v1(97.12,68.75)
  Top w0.127: 77.4,19.49 80.39,19.49 v1(81.44,20.54)
  Bottom w0.127: v1(81.44,20.54) 82.69,21.79 82.69,27.9 83.21,28.42 83.21,31.25 97.49,45.53 97.49,68.14 97.12,68.51 v1(97.12,68.75)
/PMOD/Pmod1_5: length 55.5
  Top w0.11: U1.C18 100.12,61.73 v1(100.12,61.73)
  Top w0.127: v1(81.24,19.11) 80.97,18.84 77.4,18.84
  Bottom w0.127: v1(100.12,61.73) 100.37,61.73 100.48,61.62 100.48,51.53 98.25,49.3 98.25,45.03 83.96,30.74 83.96,28.15 83.24,27.43 83.24,21.5 83.03,21.29 83.03,20.9 v1(81.24,19.11)
/PMOD/Pmod1_6: length 57.3
  Top w0.11: U1.C19 v1(99.12,61.73)
  Top w0.127: v1(81.19,17.96) 80.96,18.19 77.4,18.19
  Bottom w0.11: 97.83,53.74 97.83,59.5 97.77,59.57 97.77,61.93 97.91,62.08 98.43,62.08 98.79,61.73 v1(99.12,61.73)
  Bottom w0.127: v1(81.19,17.96) 80.9,18.25 80.9,19.4 82.74,21.24 82.74,21.37 82.97,21.59 82.97,27.65 83.59,28.27 83.59,31.03 97.83,45.27 97.83,53.74
/PMOD/Pmod1_7: length 57.2
  Top w0.11: U1.C17 v1(101.12,61.73)
  Top w0.127: v1(81.62,17.54) 81.62,17.54 77.4,17.54
  Bottom w0.127: v1(81.62,17.54) 81.62,18.9 83.34,20.62 83.34,21.02 83.5,21.18 83.5,27.07 84.34,27.92 84.34,30.45 98.58,44.69 98.58,49.08 100.77,51.26 100.77,61.38 v1(101.12,61.73)
/PMOD/Pmod1_C_0: length 24.3
  Top w0.127: J12.1 95.02,7.21 93.73,8.51 90.88,8.51 89.49,9.89 89.49,12.59 87.33,14.75 87.33,17.56 86.37,18.51 86.37,21.03 84.6,22.81 U3.20